# Altium PCB RP2040_ESP32-C3 Dev Board.PcbDoc (part 1 of 2) (continued)
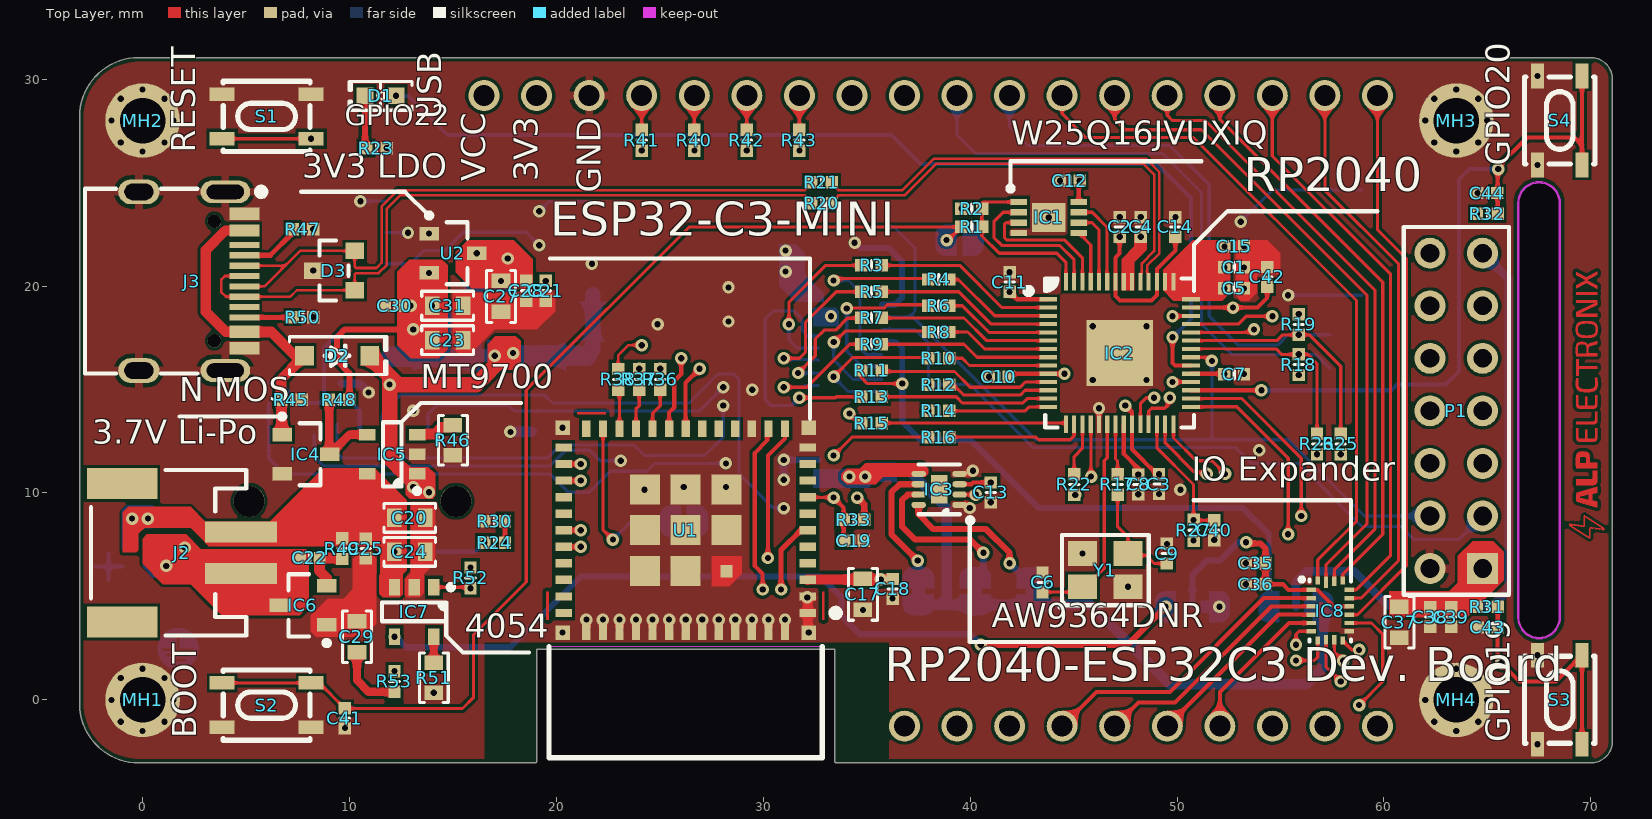
[diagram p0: Top Layer view]
## Components (designator, comment, footprint, x,y, rotation, side; value= is the part's Value field where it differs from the comment) (continued)
R11 "27.4" "RES 0402/1005" 35.233,15.921 r0 top
R12 "27.4" "RES 0402/1005" 38.481,15.24 r0 top
R13 "27.4" "RES 0402/1005" 35.233,14.651 r0 top
R14 "27.4" "RES 0402/1005" 38.481,13.97 r0 top
R15 "27.4" "RES 0402/1005" 35.233,13.381 r0 top
R16 "27.4" "RES 0402/1005" 38.481,12.7 r0 top
R17 "1k" "RES 0402/1005" 47.128,10.414 r90 top
R18 "10k" "RES 0402/1005" 55.88,16.202 r270 top
R19 "10k" "RES 0402/1005" 55.88,18.145 r90 top
R20 "27.4" "RES 0402/1005" 32.82,24.003 r180 top
R21 "27.4" "RES 0402/1005" 32.82,25.019 r180 top
R22 "27.4" "RES 0402/1005" 45.028,10.414 r90 top
R23 "1k" "RES 0402/1005" 11.303,26.67 r180 top
R24 "10k" "RES 0402/1005" 17.018,7.6 r180 top
R25 "27.4" "RES 0402/1005" 57.912,12.373 r270 top
R26 "27.4" "RES 0402/1005" 56.769,12.373 r270 top
R27 "10k" "RES 0402/1005" 50.8,8.2 r270 top
R28 "10k" "RES 0402/1005" 18.804,13.47 r270 bottom
R29 "10k" "RES 0402/1005" 6.098,14.851 r90 bottom
R30 "10k" "RES 0402/1005" 17.018,8.636 r0 top
R31 "10k" "RES 0402/1005" 65,4.5 r180 top
R32 "10k" "RES 0402/1005" 65,23.5 r180 top
R33 "10k" "RES 0402/1005" 34.384,8.701 r0 top
R36 "27.4" "RES 0402/1005" 25.019,15.494 r270 top
R37 "27.4" "RES 0402/1005" 24.003,15.494 r90 top
R38 "10k" "RES 0402/1005" 22.987,15.494 r90 top
R40 "27.4" "RES 0402/1005" 26.67,27.051 r90 top
R41 "27.4" "RES 0402/1005" 24.13,27.051 r90 top
R42 "27.4" "RES 0402/1005" 29.206,27.051 r90 top
R43 "27.4" "RES 0402/1005" 31.746,27.051 r90 top
R45 "10k" "RES 0402/1005" 7.195,14.5 r180 top
R46 "10k" "RES 0603/1608" 14.998,12.547 r90 top
R47 "5.1k" "RES 0402/1005" 7.75,22.75 r180 top
R48 "10k" "RES 0402/1005" 9.495,14.5 r0 top
R49 "100" "RES 0402/1005" 9.652,7.308 r270 top
R50 "5.1k" "RES 0402/1005" 7.75,18.5 r180 top
R51 "10k" "RES 0603/1608" 14.075,1.07 r90 top
R52 "2k" "RES 0402/1005" 15.85,5.9 r90 top
R53 "1" "RES 0402/1005" 12.175,0.889 r90 top
S1 "TSA016A2518C" TSA016A2518C 6,28.2 r180 top
S2 "TSA016A2518C" TSA016A2518C 6,-0.254 r180 top
S3 "TSA016A2518C" TSA016A2518C 68.5,0 r90 top
S4 "TSA016A2518C" TSA016A2518C 68.5,28 r90 top
TP7 "RCT-0C" "TestPoint 1mm" 35.687,22.86 r270 bottom
TP11 "RCT-0C" "TestPoint 1mm" 57.404,16.002 r90 bottom
TP12 "RCT-0C" "TestPoint 1mm" 57.404,17.653 r90 bottom
U1 "ESP32-C3-MINI-1-N4" XCVR_ESP32-C3-MINI-1-N4 26.25,5.5 r180 top locked
U2 "3V3 LDO" "DIODES SOT-23-3" 14.998,21.59 r0 top
Y1 "12MHz" "NDK NX3225SA" 46.535,6.272 r0 top

## Footprints (in the part's own frame and the unit in brackets; to place one, negate y for a bottom-side part, rotate by r counter-clockwise, add the part's x,y. Pads: shape width x height; smd on the part's side, far side on the other; paste and mask are expansions set on the pad)
"3 PADS FOR SBW" [mm]
  rrect20% 1x3 smd: 1(0,0) 2(2.54,0) 3(5.08,0)
  silkscreen extent -1,-2.97 6.25,2
5025983993 [mm]
  rect 0.3x0.67 smd paste-0.02: 1(-5.7,-1.64) 3(-5.1,-1.64) 5(-4.5,-1.64) 7(-3.899,-1.64) 9(-3.3,-1.64) 11(-2.7,-1.64) 13(-2.1,-1.64) 15(-1.5,-1.64) 17(-0.9,-1.64) 19(-0.3,-1.64) 21(0.3,-1.64) 23(0.9,-1.64) 25(1.5,-1.64) 27(2.1,-1.64) 29(2.7,-1.64) 31(3.3,-1.64) 33(3.9,-1.64) 35(4.5,-1.64) 37(5.1,-1.64) 39(5.7,-1.64)
  rect 0.3x0.5 smd paste-0.02: 2(-5.399,1.425) 4(-4.8,1.425) 6(-4.2,1.425) 8(-3.6,1.425) 10(-3,1.425) 12(-2.399,1.425) 14(-1.8,1.425) 16(-1.2,1.425) 18(-0.6,1.425) 20(0,1.425) 22(0.6,1.425) 24(1.2,1.425) 26(1.8,1.425) 28(2.4,1.425) 30(3,1.425) 32(3.6,1.425) 34(4.2,1.425) 36(4.8,1.425) 38(5.4,1.425)
  rect 0.35x1 smd paste-0.02: MP1(-6.675,-1.375) MP2(6.676,-1.375)
  silkscreen extent -6.9,-0.28 6.9,1.78, body extent -6.9,-1.99 6.9,1.81, height 1.15
"CAP 0402/1005" [mm] "Chip Capacitor, 2-Leads, Body 1.02x0.51mm, IPC Medium Density"
  rect 0.6x0.6 smd: 1(-0.475,0) 2(0.475,0)
  silkscreen extent 0,-0.23 0,0.23, body extent -0.5,-0.26 0.5,0.26, height 0.52
"CAP 0603/1608" [mm] "Chip Capacitor, 2-Leads, Body 1.60x0.80mm, IPC Medium Density"
  rect 0.7x0.9 smd: 1(-0.75,0) 2(0.75,0)
  silkscreen extent -1.25,-0.7 1.25,0.7, body extent -0.8,-0.41 0.8,0.41, height 0.82
"DIODES SOT-23-3" [mm] "SOT23, 3-Leads, Body 2.90x2.40mm, Pitch 0.95mm, IPC Medium Density"
  rect 0.95x0.65 smd: 1(-1.15,0.95) 2(1.15,0) 3(-1.15,-0.95)
  silkscreen extent -1.27,-1.5 0.7,1.95, body extent -1.41,-1.45 1.41,1.45, height 1.5
"DIODES SOT-23-5 W5" [mm] "SOT23, 5-Leads, Body 3.00x2.85mm, Pitch 0.95mm, IPC Medium Density"
  rect 0.8x0.55 smd: 1(-1.2,0.95) 2(-1.2,0) 3(-1.2,-0.95) 4(1.2,-0.95) 5(1.2,0.95)
  silkscreen extent -1.33,-1.55 0.45,1.9, body extent -1.41,-1.45 1.41,1.45, height 1.5
"Female Header 2.54mm - 10 Pin" [mm] "10 positions"
  round 1.5 hole 1.016: 1(0,0) 2(2.54,0) 3(5.08,0) 4(7.62,0) 5(10.16,0) 6(12.7,0) 7(15.24,0) 8(17.78,0) 9(20.32,0) 10(22.86,0)
  silkscreen extent -1.14,-1.14 24.01,1.14, body extent -1.4,-1.25 24.26,1.25, height 8.5
"Female Header 2.54mm - 18 Pin" [mm] "18 positions"
  round 1.5 hole 1.016: 1(0,0) 2(2.54,0) 3(5.08,0) 4(7.62,0) 5(10.16,0) 6(12.7,0) 7(15.24,0) 8(17.78,0) 9(20.32,0) 10(22.86,0) 11(25.4,0) 12(27.94,0) 13(30.48,0) 14(33.02,0) 15(35.56,0) 16(38.1,0) 17(40.64,0) 18(43.18,0)
  silkscreen extent -1.14,-1.14 44.32,1.14, body extent -1.39,-1.25 44.58,1.25, height 8.5
"HCTL HC-TYPE-C-16P-01A" [mm] "Type C Female 16 8.94*7.3mm 12 Pin USB Connectors"
  rect 0.6x1.45 smd: A1/B12(-3.25,3.415) A4/B9(-2.45,3.415) B1/A12(3.25,3.415) B4/A9(2.45,3.415)
  rect 0.3x1.45 smd: A5(-1.25,3.415) A6(-0.25,3.415) A7(0.25,3.415) A8(1.25,3.415) B5(1.75,3.415) B6(0.75,3.415) B7(-0.75,3.415) B8(-1.75,3.415)
  round 0.65 hole 0.65 unplated: None(-2.895,1.97) None(2.885,1.97)
  oval 1.1x2.4 hole 0.7 slot 1.8 at 90 deg: S1(-4.32,2.5) S2(4.32,2.5)
  oval 1.2x2 hole 0.8 slot 1.4 at 90 deg: S3(4.32,-1.68) S4(-4.32,-1.68)
  silkscreen extent -4.57,-4.28 4.47,4.48, body extent -4.48,-4.28 4.47,3.62, height 3.26
HDR2X7 [mm] "Connector; Header; 7x2 Position"
  rect 1.5x1.5 hole 0.9: 1(0,0)
  round 1.5 hole 0.9: 2(0,2.54) 3(2.54,0) 4(2.54,2.54) 5(5.08,0) 6(5.08,2.54) 7(7.62,0) 8(7.62,2.54) 9(10.16,0) 10(10.16,2.54) 11(12.7,0) 12(12.7,2.54) 13(15.24,0) 14(15.24,2.54)
  silkscreen extent -1.27,-1.27 16.51,3.81
HYCW110-TF10-180B [mm]
  rect 0.7x1.5 smd: 1(2.95,5.778) 2(1.85,5.778) 3(0.75,5.778) 4(-0.35,5.778) 5(-1.45,5.778) 6(-2.55,5.778) 7(-3.65,5.778) 8(-4.75,5.778) 9(4.05,5.778) 10(5.25,5.778)
  rect 1.5x2 smd: S(-7.1,-2.322) S(7.1,-2.323)
  round 1.5 hole 1.5 unplated: ""(-5,2.577) ""(5,2.578)
  silkscreen extent -6.86,-6.47 6.86,5.16, body extent -7.3,-6.47 7.3,6.16, height 1.96
"JST S2B-PH-SM4-TB" [mm] "JST PH Series 2mm pitch, side entry connector"
  rect 1x3.5 smd: 1(-1,-4.25) 2(1,-4.25)
  rect 1.5x3.4 smd: M(-3.35,1.5) M(3.35,1.5)
  silkscreen extent -4,-4.5 4,3, body extent -3.95,-5.6 3.95,3.01, height 5.6
"LED 0603/1608 GREEN" [mm] "Chip Diode, 2-Leads, Body 1.60x0.80mm, IPC Medium Density"
  rect 0.8x0.8 smd: 1(-0.75,0) 2(0.75,0)
  silkscreen extent -1.52,-0.7 1.52,0.7, body extent -0.8,-0.4 0.8,0.4, height 0.53
"M3 SCREW" [mm]
  round 3.6 hole 2.2 mask+0.05: 1(0,0)
"MAXIM TDFN-8 2X2MM" [mm] "DFN, 8-Leads, Body 2.00x2.00mm, Pitch 0.50mm, Thermal Pad 0.80x1.38mm, IPC Medium Density"
  oval 0.7x0.3 smd paste-0.02: 1(-0.99,0.75) 2(-0.99,0.25) 3(-0.99,-0.25) 4(-0.99,-0.75) 5(0.99,-0.75) 6(0.99,-0.25) 7(0.99,0.25) 8(0.99,0.75)
  rect 0.8x1.38 smd: 9(0,0)
  silkscreen extent -1.63,-1.2 1,1.62, body extent -1.05,-1.05 1.05,1.05, height 0.8
"Molex 781710002" [mm]
  rrect20% 0.6x0.85 smd: 1(-0.6,2.2) 2(0.6,2.2)
  rrect50% 1x1 smd: G(-1.905,-1.905) G(1.905,-1.905)
  silkscreen extent -2.1,-2.3 2.1,2.2, body extent -2.1,-2.25 2.1,2.28, height 1.42
"NDK NX3225SA" [mm] "Crystal, 4-Leads, Body 2.50x3.20mm, Pitch 2.20mm, IPC Medium Density"
  rect 1.4x1.2 smd paste-0.15: 1(-1.1,-0.8) 2(1.1,-0.8) 3(1.1,0.8) 4(-1.1,0.8)
  silkscreen extent -2.25,-1.85 2.1,1.7, body extent -1.61,-1.26 1.61,1.26, height 0.6
"ON SEMI SOT-23-3" [mm] "SOT23, 3-Leads, Body 2.90x2.40mm, Pitch 0.95mm, IPC Medium Density"
  rect 0.9x0.8 smd: 1(-1,0.95) 2(-1,-0.95) 3(1,0)
  silkscreen extent -0.7,-1.45 0.7,1.45, body extent -1.16,-1.45 1.16,1.45, height 1
QFN40P700X700X90-57N-D [mm]
  rect 0.85x0.2 smd: 1(-3.45,2.6) 2(-3.45,2.2) 3(-3.45,1.8) 4(-3.45,1.4) 5(-3.45,1) 6(-3.45,0.6) 7(-3.45,0.2) 8(-3.45,-0.2) 9(-3.45,-0.6) 10(-3.45,-1) 11(-3.45,-1.4) 12(-3.45,-1.8) 13(-3.45,-2.2) 14(-3.45,-2.6) 29(3.45,-2.6) 30(3.45,-2.2) 31(3.45,-1.8) 32(3.45,-1.4) 33(3.45,-1) 34(3.45,-0.6) 35(3.45,-0.2) 36(3.45,0.2) 37(3.45,0.6) 38(3.45,1) 39(3.45,1.4) 40(3.45,1.8) 41(3.45,2.2) 42(3.45,2.6)
  rect 0.2x0.85 smd: 15(-2.6,-3.45) 16(-2.2,-3.45) 17(-1.8,-3.45) 18(-1.4,-3.45) 19(-1,-3.45) 20(-0.6,-3.45) 21(-0.2,-3.45) 22(0.2,-3.45) 23(0.6,-3.45) 24(1,-3.45) 25(1.4,-3.45) 26(1.8,-3.45) 27(2.2,-3.45) 28(2.6,-3.45) 43(2.6,3.45) 44(2.2,3.45) 45(1.8,3.45) 46(1.4,3.45) 47(1,3.45) 48(0.6,3.45) 49(0.2,3.45) 50(-0.2,3.45) 51(-0.6,3.45) 52(-1,3.45) 53(-1.4,3.45) 54(-1.8,3.45) 55(-2.2,3.45) 56(-2.6,3.45)
  rect 3.2x3.2 smd: 57(0,0)
  silkscreen extent -4.55,-3.6 3.6,3.6, body extent -3.55,-3.55 3.55,3.55, height 0.9
"RES 0402/1005" [mm] "Chip Resistor, 2-Leads, Body 1.0x0.5mm, IPC Medium Density"
  rect 0.6x0.6 smd: 1(-0.5,0) 2(0.5,0)
  silkscreen extent 0,-0.23 0,0.23, body extent -0.5,-0.25 0.5,0.25, height 0.35
"RES 0603/1608" [mm] "Chip Resistor, 2-Leads, Body 1.60x0.80mm, IPC Medium Density"
  rect 0.7x0.9 smd: 1(-0.725,0) 2(0.725,0)
  silkscreen extent -1.2,-0.7 1.2,0.7, body extent -0.8,-0.4 0.8,0.4, height 0.45
SLG46826VTR [mm]
  rect 0.465x0.21 smd paste+0: 1(-0.918,1) 2(-0.918,0.6) 3(-0.918,0.2) 4(-0.918,-0.2) 5(-0.918,-0.6) 6(-0.918,-1) 11(0.918,-1) 12(0.918,-0.6) 13(0.918,-0.2) 14(0.918,0.2) 15(0.918,0.6) 16(0.918,1)
  rect 0.21x0.39 smd paste+0: 7(-0.6,-1.455) 10(0.6,-1.455) 17(0.6,1.455) 20(-0.6,1.455)
  rect 0.21x0.465 smd paste+0: 8(-0.2,-1.418) 9(0.2,-1.418) 18(0.2,1.418)
  rect 0.21x0.565 smd paste+0: 19(-0.2,1.368)
  silkscreen extent -1.48,-1.5 1,1.6, body extent -1,-1.5 1,1.5, height 0.7
SmartShunt-Pico24 [mm]
  rrect50% 1.5x0.8 smd: 1(-5,1.5) 2(-5,0) 3(-5,-1.5) 4(-5,-3) 5(-5,-4.5) 6(5,-4.5) 7(5,-3) 8(5,-1.5) 9(5,0) 10(5,1.5)
  rrect50% 2.5x1.5 smd: 11(4.75,4.5) 12(-4.75,4.5)
  silkscreen extent -5,-6.25 5,6.25, body extent -5,-6.25 5,6.25, height 1.58
SOD-123 [mm] "SOD, 2-Leads, Body 1.55x3.70mm, IPC Medium Density"
  rect 0.9x0.95 smd: 1(-1.575,0) 2(1.575,0)
  silkscreen extent -2.3,-0.92 2.41,0.92, body extent -1.86,-0.78 1.86,0.77, height 1.35
SolderJumper-2_P1.3mm_Bridged_RoundedPad1.0x1.5mm#1 [mil]
  round 1 smd paste-99999: 1(-25.63,-0.19) 2(25.59,0)
  Top Layer region: 9.84,-11.81 -9.84,-11.81 -9.84,11.81 9.84,11.81
  Top Layer region: -5.94,29.34 -27.6,29.34 -34.38,27.99 -40.13,24.15 -43.97,18.4 -45.31,11.62 -45.31,11.62 -45.31,-11.02 -43.89,-18.18 -39.84,-24.24 -33.77,-28.3 -26.61,-29.72 -26.61,-29.72 -5.94,-29.72
  Top Layer region: 5.91,-29.53 27.56,-29.53 34.34,-28.18 40.09,-24.34 43.93,-18.59 45.28,-11.81 45.28,-11.81 45.28,10.83 43.85,17.98 39.8,24.05 33.73,28.1 26.58,29.53 26.58,29.53 5.91,29.53
  silkscreen extent -55,-39 55,39
SolderJumper-2_P1.3mm_Bridged_RoundedPad1.0x1.5mm#2 [mil]
  round 1 smd: 1(-25.63,-0.19) 2(25.59,0)
  Top Layer region: 9.84,-11.81 -9.84,-11.81 -9.84,11.81 9.84,11.81
  Top Layer region: -5.94,29.34 -27.6,29.34 -34.38,27.99 -40.13,24.15 -43.97,18.4 -45.31,11.62 -45.31,11.62 -45.31,-11.02 -43.89,-18.18 -39.84,-24.24 -33.77,-28.3 -26.61,-29.72 -26.61,-29.72 -5.94,-29.72
  Top Layer region: 5.91,-29.53 27.56,-29.53 34.34,-28.18 40.09,-24.34 43.93,-18.59 45.28,-11.81 45.28,-11.81 45.28,10.83 43.85,17.98 39.8,24.05 33.73,28.1 26.57,29.53 26.57,29.53 5.91,29.53
  silkscreen extent -55,-39 55,39
SolderJumper-2_P1.3mm_Open_RoundedPad1.0x1.5mm [mil]
  round 1 smd paste-99999: 1(-25.63,-0.19) 2(25.59,0)
  Top Layer region: 5.91,-29.53 27.56,-29.53 34.34,-28.18 40.09,-24.34 43.93,-18.59 45.28,-11.81 45.28,-11.81 45.28,10.83 43.85,17.98 39.8,24.05 33.73,28.1 26.58,29.53 26.58,29.53 5.91,29.53
  Top Layer region: -5.94,29.34 -27.6,29.34 -34.38,27.99 -40.13,24.15 -43.97,18.4 -45.31,11.62 -45.31,11.62 -45.31,-11.02 -43.89,-18.18 -39.84,-24.24 -33.77,-28.3 -26.61,-29.72 -26.61,-29.72 -5.94,-29.72
  silkscreen extent -55,-39 55,39
SolderJumper-3_P1.3mm_Bridged12_RoundedPad1.0x1.5mm [mm]
  round 0.025 smd paste-2539.97: 1(-1.3,0) 3(1.3,0)
  rect 1x1.5 smd paste-2539.97: 2(0,0)
  Top Layer region: -0.4,-0.3 -0.9,-0.3 -0.9,0.3 -0.4,0.3
  Top Layer region: -0.8,0.75 -1.35,0.75 -1.522,0.716 -1.668,0.618 -1.766,0.472 -1.8,0.3 -1.8,0.3 -1.8,-0.275 -1.764,-0.457 -1.661,-0.611 -1.507,-0.714 -1.325,-0.75 -1.325,-0.75 -0.8,-0.75
  Top Layer region: 0.8,-0.75 1.35,-0.75 1.522,-0.716 1.668,-0.618 1.766,-0.472 1.8,-0.3 1.8,-0.3 1.8,0.275 1.764,0.457 1.661,0.611 1.507,0.714 1.325,0.75 1.325,0.75 0.8,0.75
  silkscreen extent -2.05,-1.5 2.05,1
SON50P300X200X60-9N [mm]
  rect 0.8x0.3 smd paste-0.02: 1(-1.45,0.75) 2(-1.45,0.25) 3(-1.45,-0.25) 4(-1.45,-0.75) 5(1.45,-0.75) 6(1.45,-0.25) 7(1.45,0.25) 8(1.45,0.75)
  rect 1.6x1.4 smd: 9(0,0)
  silkscreen extent -1.97,1.28 -1.72,1.52, body extent -1.55,-1 1.55,1, height 0.6
"TestPoint 1mm" [mm]
  round 1 smd paste-2539.97: 1(0,0)
TSA016A2518C [mm] "3.35mm 2.5mm Oval button 50mA Brick nogging 4.2mm 12V SMD Tactile Switches ROHS"
  rect 1.2x0.65 smd: 1(-2.142,1.074) 2(2.158,1.074) 3(-2.142,-1.076) 4(2.158,-1.076)
  silkscreen extent -2.09,-1.7 2.11,1.7, body extent -2.3,-1.68 2.3,1.68, height 2.5
XCVR_ESP32-C3-MINI-1-N4 [mm]
  rect 0.8x0.4 smd: 1(-5.9,1.3) 2(-5.9,0.5) 3(-5.9,-0.3) 4(-5.9,-1.1) 5(-5.9,-1.9) 6(-5.9,-2.7) 7(-5.9,-3.5) 8(-5.9,-4.3) 9(-5.9,-5.1) 10(-5.9,-5.9) 11(-5.9,-6.7) 25(5.9,-6.7) 26(5.9,-5.9) 27(5.9,-5.1) 28(5.9,-4.3) 29(5.9,-3.5) 30(5.9,-2.7) 31(5.9,-1.9) 32(5.9,-1.1) 33(5.9,-0.3) 34(5.9,0.5) 35(5.9,1.3)
  rect 0.4x0.8 smd: 12(-4.8,-7.6) 13(-4,-7.6) 14(-3.2,-7.6) 15(-2.4,-7.6) 16(-1.6,-7.6) 17(-0.8,-7.6) 18(0,-7.6) 19(0.8,-7.6) 20(1.6,-7.6) 21(2.4,-7.6) 22(3.2,-7.6) 23(4,-7.6) 24(4.8,-7.6) 36(4.8,2.2) 37(4,2.2) 38(3.2,2.2) 39(2.4,2.2) 40(1.6,2.2) 41(0.8,2.2) 42(0,2.2) 43(-0.8,2.2) 44(-1.6,2.2) 45(-2.4,2.2) 46(-3.2,2.2) 47(-4,2.2) 48(-4.8,2.2)
  rect 0.6x0.6 smd paste-1 mask+0: 49_1(-1.975,-0.725)
  rect 1.45x1.45 smd: 49_2(0,-0.725) 49_3(1.975,-0.725) 49_4(1.975,-2.7) 49_5(1.975,-4.675) 49_6(0,-4.675) 49_7(-1.975,-4.675) 49_8(-1.975,-2.7) 49_9(0,-2.7)
  rect 0.7x0.7 smd: 50(5.95,2.25) 51(5.95,-7.65) 52(-5.95,-7.65) 53(-5.95,2.25)
  Top Layer region: -1.25,-1.45 -2.7,-1.45 -2.7,-0.6 -2.1,0 -1.25,0
  Keep-Out Layer region: 6.6,2.9 -6.6,2.9 -6.6,8.3 6.6,8.3
  Keep-Out Layer region: 6.6,2.9 -6.6,2.9 -6.6,8.3 6.6,8.3
  silkscreen extent -7.5,1.05 6.6,8.3, body extent -6.6,-8.3 6.6,8.3, height 2.55

## Part data
A1: "Current Measurement Module"
C1 C2 C3 C4 C5 C7 C8 C10 C11 C12 C13 C16 C18 C22 C26 C33 C36 C39: library part LMK105BJ104KV-F, "CAP CER 0.1UF 10V X5R 0402", Device Package="0402 (1005 Metric)", manufacturer="Taiyo Yuden", Supplier Part Number 1=587-1227-2-ND, TemperatureCoefficient=X5R, TemperatureRange="-55C ~ 85C", Tolerance=10%, Voltage=10V, componentlink1description=Datasheet, componentlink1url=http://ds.yuden.co.jp/TYCOMPAS/ut/detail.do?productNo=LMK105BJ104KV-F&fileName=LMK105BJ104KV-F_SS&mode=specSheetDownload, componentlink2description="Digi-Key Listing", componentlink2url=https://www.digikey.com/product-detail/en/taiyo-yuden/LMK105BJ104KV-F/587-1227-2-ND/930579, Part Number=LMK105BJ104KV-F, partid=12322, price=0,0021, Supplier 1=Digi-Key
C6 C9: library part GRM1555C1H300JA01D, "CAP CER 30PF 50V NP0 0402", Device Package="0402 (1005 Metric)", manufacturer="Murata Electronics North America", Supplier Part Number 1=490-5935-2-ND, TemperatureCoefficient="C0G, NP0", TemperatureRange="-55C ~ 125C", Tolerance=5%, Voltage=50V, componentlink1description=Datasheet, componentlink1url=http://www.murata.com/~/media/webrenewal/support/library/catalog/products/capacitor/mlcc/c02e.ashx, componentlink2description="Digi-Key listing", componentlink2url=http://digikey.com/product-detail/en/GRM1555C1H300JA01D/490-5935-2-ND/3693845, Part Number=GRM1555C1H300JA01D, partid=5055, price=0,0118, Supplier 1=Digi-Key, Type=-
C14 C15 C19 C21 C25 C28 C30 C32 C34 C35 C38: library part GRM155R70J105KA12D, "CAP CER 1UF 6.3V X7R 0402", Device Package="0402 (1005 Metric)", manufacturer="Murata Electronics North America", Supplier Part Number 1=490-10024-2-ND, TemperatureCoefficient=X7R, TemperatureRange="-55C ~ 125C", Tolerance=10%, Voltage=6.3V, componentlink1description=Datasheet, componentlink1url=http://www.murata.com/~/media/webrenewal/support/library/catalog/products/capacitor/mlcc/c02e.ashx, componentlink2description="Digi-Key listing", componentlink2url=http://digikey.com/product-detail/en/GRM155R70J105KA12D/490-10024-2-ND/5027109, Part Number=GRM155R70J105KA12D, partid=5157, price=0,019, Supplier 1=Digi-Key, Type="Derating Recommended"
C17 C20 C23 C24 C27 C29 C31 C37: library part GRM188R60J106ME47D, "CAP CER 10UF 6.3V X5R 0603", Device Package="0603 (1608 Metric)", manufacturer="Murata Electronics North America", Supplier Part Number 1=490-3896-2-ND, TemperatureCoefficient=X5R, TemperatureRange="-55C ~ 85C", Tolerance=20%, Voltage=6.3V, componentlink1description=Datasheet, componentlink1url=http://www.murata.com/~/media/webrenewal/support/library/catalog/products/capacitor/mlcc/c02e.pdf, componentlink2description="Digi-Key Listing", componentlink2url=https://www.digikey.com/product-detail/en/murata-electronics-north-america/GRM188R60J106ME47D/490-3896-2-ND/965910, Part Number=GRM188R60J106ME47D, partid=12950, price=0,031, Supplier 1=Digi-Key
C40 C41 C42 C43 C44: library part C1005C0G1H102J050BA, "CAP CER 1000PF 50V C0G 0402", Device Package="0402 (1005 Metric)", manufacturer="TDK Corporation", Supplier Part Number 1=445-6846-2-ND, TemperatureCoefficient="C0G, NP0", TemperatureRange="-55C ~ 125C", Tolerance=5%, Voltage=50V, componentlink1description=Datasheet, componentlink1url=https://product.tdk.com/info/en/catalog/datasheets/mlcc_commercial_general_en.pdf, componentlink2description="Digi-Key listing", componentlink2url=http://digikey.com/product-detail/en/C1005C0G1H102J050BA/445-6846-2-ND/2619187, Part Number=C1005C0G1H102J050BA, partid=3861, price=0,0287, Supplier 1=Digi-Key, Type=-
D1: library part HSMQ-C191, "LED GREEN DIFFUSED 0603 SMD", Current (Test)=20mA, Device Package="0603 (1608 Metric)", manufacturer="Avago Technologies US Inc.", Supplier Part Number 1=516-1807-2-ND, Voltage Forward=3.4V, Colour=Green, componentlink1description=Datasheet, componentlink1url=http://www.avagotech.com/docs/AV02-0977EN, componentlink2description="Digi-Key Listing", componentlink2url=http://www.digikey.ca/product-detail/en/HSMQ-C191/516-1807-2-ND/1012398, Lens Transparency=Diffused, Millicandela=145mcd, Part Number=HSMQ-C191, partid=7059, price=0,4769, Supplier 1=Digi-Key, Type="Surface Mount", Viewing Angle=140
D2: "DIODE SCHOTTKY 20V 500MA SOD123", Current - Average Rectified (Io)=500mA, Current - Reverse Leakage @ Vr="250 µA @ 20 V", manufacturer="Comchip Technology", Operating Temperature - Junction="125°C (Max)", Package / Case=SOD-123, Supplier Part Number 1=641-1326-1-ND, Voltage - DC Reverse (Vr) (Max)="20 V", Voltage - Forward (Vf) (Max) @ If="385 mV @ 500 mA", componentlink1description=Datasheet, componentlink1url="http://www.comchiptech.com/admin/files/product/CDBW0520L-HF Thru824572. CDBW0540-HF RevA.pdf", componentlink2description="DigiKey Link", componentlink2url=https://www.digikey.com/en/products/detail/comchip-technology/CDBW0520L-G/1979670, Diode Type=Schottky, lastupdated="2022-06-30 22:48:20", Lifecycle Status=Active, Minimum Order=1, Mounting Type="Surface Mount", packaging=TapeAndReel, Part Number=CDBW0520L-G, Part Status=Active, partid=2251, price=0.07, series=-, Speed="Fast Recovery =< 500ns, > 200mA (Io)", Supplier 1=DigiKey, Supplier Device Package=SOD-123
D3: library part NUP2105LT1G, "TVS DIODE 24V 44V SOT23-3", Capacitance @ Frequency="30pF @ 1MHz", Current - Peak Pulse (10/1000µs)="8A (8/20µs)", Device Package="TO-236-3, SC-59, SOT-23-3", manufacturer="ON Semiconductor", Operating Temperature="-55°C ~ 150°C (TJ)", Power - Peak Pulse=350W, Power Line Protection=No, Supplier Device Package="SOT-23-3 (TO-236)", Supplier Part Number 1=NUP2105LT1GOSCT-ND, Voltage - Breakdown (Min)=26.2V, Voltage - Clamping (Max) @ Ipp=44V, Voltage - Reverse Standoff (Typ)="24V (Min)", Applications="General Purpose", Bidirectional Channels=2, componentlink1description=Datasheet, componentlink1url=http://www.onsemi.com/pub/Collateral/NUP2105L-D.PDF, componentlink2description="DigiKey Link", componentlink2url=http://digikey.com/product-detail/en/on-semiconductor/NUP2105LT1G/NUP2105LT1GOSCT-ND/1485001, lastupdated="2020-03-30 16:33:57", Lifecycle Status=Active, Minimum Order=1, Mounting Type="Surface Mount", Package / Case="TO-236-3, SC-59, SOT-23-3", packaging=TapeAndReel, Part Number=CESDBLC5V0AP, Part Status=Active, partid=10506, price=0.09, series=-, Supplier 1=DigiKey, Type=Zener
IC1: "Integrated Circuit", Manufacturer_Name=Winbond, Datasheet Link=https://www.winbond.com/resource-files/w25q16jv%20spi%20revh%2004082019%20plus.pdf, Height=0.6mm, Manufacturer_Part_Number=W25Q16JVUXIQ
IC2: "Integrated Circuit", Manufacturer_Name=RASPBERRY-PI, Datasheet Link=https://datasheets.raspberrypi.org/rp2040/rp2040-datasheet.pdf, Height=0.9mm, Manufacturer_Part_Number=RP2040
IC3: "-40℃~+85℃ DFN-8(2x2) LED Drivers ROHS"
IC4: "MOSFET N-CH 60V 115MA SOT23-3", Current Continuous Drain="115mA (Ta)", Device Package="TO-236-3, SC-59, SOT-23-3", Drain to Source Voltage (Vdss)=60V, Input Capacitance (Ciss) at Vds="50pF @ 25V", manufacturer="Diodes Incorporated", Power - Max=370mW, Supplier Part Number 1=2N7002-FDITR-ND, componentlink1description=Datasheet, componentlink1url=http://www.diodes.com/_files/datasheets/ds11303.pdf, componentlink2description="Digi-Key Listing", componentlink2url=http://www.digikey.com/product-detail/en/2N7002-7-F/2N7002-FDITR-ND/717681, Features=Standard, Gate Charge (Qg)=-, Part Number=2N7002-7-F, partid=7967, price=0,0255, Rds On (Max) at Id, Vgs="7.5 Ohm @ 50mA, 5V", Supplier 1=Digi-Key, Type="MOSFET N-Channel, Metal Oxide", Vgs(th) (Max) at Id="2.5V @ 250uA"
IC5: "SOT-23-5 Power Distribution Switches ROHS"
IC6: "IC LITHIUM BATT PROTECT SOT23-3", Device Package=SOT-23-3, manufacturer=XYSEMI, Supplier Part Number 1=C154939, Battery Chemistry="Li-Ion, Li-Pol", componentlink1description=Datasheet, componentlink1url=http://www.baitaishengshi.com/uploadfile/2017/1213/20171213368970.pdf, componentlink2description="LCSC Listing", componentlink2url=https://lcsc.com/product-detail/Battery-Protection-ICs_XB3306A_C154939.html, Function=Protection, Part Number="XYSEMI XB3306A", partid=16446, Supplier 1=LCSC
IC7: "600mA Standalone Linear Li-Ion Battery Charger"
IC8: "Programmable Mixed Signal Matrix with In-System Programmability 2.048kHz/2.048MHz/25MHz Oscillators 20-Pin STQFN", manufacturer=Renesas, Manufacturer Part Number=SLG46826V, Manufacturer_Name="Dialog Semiconductor", Mouser Part Number=724-SLG46826VTR, Category="CPLDs - Complex Programming Logic Devices", Datasheet Link=https://componentsearchengine.com/Datasheets/2/SLG46826VTR.pdf, Height=0.6mm, Manufacturer_Part_Number=SLG46826VTR, Mouser Price/Stock=https://www.mouser.co.uk/ProductDetail/Dialog-Semiconductor/SLG46826VTR?qs=w%2Fv1CP2dgqrVTrYCw9J2sA%3D%3D, Pricing 1="1=15,12000, 10=12,82000, 50=10,78000, 100=8,74000, 250=8,51000, 500=8,27000, 1000=6,43000, 2500=6,11000 (SEK)", RoHS=No, Stock 1=3286, Supplier 1=Farnell
J1: "MICRO SD PUSH/PUSH SMALL 8C", manufacturer="SHOU HAN", Supplier Part Number 1=C393941, componentlink1description=Datasheet, componentlink1url=https://datasheet.lcsc.com/szlcsc/1912111437_SHOU-HAN-TF-PUSH_C393941.pdf, componentlink2description="LCSC Listing", componentlink2url=https://lcsc.com/product-detail/Card-Sockets-Connectors_SHOU-HAN-TF-PUSH_C393941.html, Connector Type="Connector and Ejector", Contact Finish=Nickel, Features=Switch, Mounting Type="Surface Mount, Right Angle", Number of Positions="9(8 + 1)", Part Number=HYCW110-TF10-180B, partid=9290, Supplier 1=LCSC, Type="Connector and Ejector"
J2: library part S2B-PH-SM4-TB(LF)(SN), "CONN HEADER SMD R/A 2POS 2MM", Current Rating (Amps)=2A, Insulation Color=Natural, manufacturer="JST Sales America Inc.", Material Flammability Rating="UL94 V-0", Operating Temperature="-25°C ~ 85°C", Supplier Part Number 1=455-1749-1-ND, Voltage Rating=100V, componentlink1description=Datasheet, componentlink1url=http://www.jst-mfg.com/product/pdf/eng/ePH.pdf, componentlink2description="DigiKey Link", componentlink2url=http://digikey.com/product-detail/en/jst-sales-america-inc/S2B-PH-SM4-TB-LF-SN/455-1749-1-ND/926846, Connector Type=Header, Contact Finish - Mating=Tin, Contact Finish - Post=Tin, Contact Length - Mating="0.130\" (3.30mm)", Contact Material="Copper Alloy", Contact Shape=Square, Contact Type="Male Pin", Fastening Type="Detent Lock", Features="Solder Retention", Insulation Height="0.217\" (5.51mm)", Insulation Material="Polyamide (PA6T), Nylon 6T", lastupdated="2020-01-15 03:45:11", Lifecycle Status=Active, Minimum Order=1, Mounting Type="Surface Mount, Right Angle", Number of Positions=2, Number of Positions Loaded=All, Number of Rows=1, packaging=TapeAndReel, Part Number=S2B-PH-SM4-TB(LF)(SN), Part Status=Active, partid=115, Pitch - Mating="0.079\" (2.00mm)", price=0.27, series=PH, Shrouding="Shrouded - 4 Wall", Style="Board to Cable/Wire", Supplier 1=DigiKey, Termination=Solder
J3: library part "HIRO TYPE-C-31-M-12", "CONN USB 2.0 TYPE-C R/A SMT", manufacturer=Hiro, Supplier Part Number 1=C165948, componentlink1description=Datasheet, componentlink1url=https://datasheet.lcsc.com/szlcsc/1811131825_Korean-Hroparts-Elec-TYPE-C-31-M-12_C165948.pdf, componentlink2description="LCSC Listing", componentlink2url=https://lcsc.com/product-detail/USB-Type-C_Korean-Hroparts-Elec-TYPE-C-31-M-12_C165948.html, Number of Positions=12, Part Number="HCTL HC-TYPE-C-16P-01A", partid=9703, series="USB 3.0", Supplier 1=LCSC, Type="USB - C"
J4: "Connector", Manufacturer_Name=Molex, Mouser Part Number=538-502598-3993, Datasheet Link=https://www.molex.com/pdm_docs/sd/5025983993_sd.pdf, Height=1.63mm, Manufacturer_Part_Number=502598-3993, Mouser Price/Stock=https://www.mouser.co.uk/ProductDetail/Molex/502598-3993?qs=yd8XiKYcH9m2CHpgP0wV0A%3D%3D
J5: library part "Header 2", "Pico-EZmate Wire-to-Board Header Vertical Housing Height 1.55mm with Side Friction Locks 2 Circuits", Contact Resistance=20mR, Current Rating=1.5A, manufacturer=Molex, Manufacturer Part Number=78171-0002, Max Operating Temperature=85°C, Max Voltage Rating (DC)=5.05kV, Min Operating Temperature=-25°C, Package Quantity=36000, Supplier Part Number 1=538-78171-0002, Voltage Rating=50V, Category="Headers and Wire Housings", Contact Gender=Female, Contact Material="Copper Alloy,Copper,Gold", Contact Plating=Gold, Gender=Male, Glow Wire Compliant=Non-compliant, Halogen Free="Low Halogen", Housing Material="Liquid Crystal Polymer", Mounting Technology="Surface Mount", Number of Circuits=2, Number of Contacts=2, Number of Positions=2, Number of Rows=1, Orientation=Vertical, packaging="Tape and Reel", Pitch=1.2mm, Pricing 1="1=0.39, 10=0.302, 50=0.302, 100=0.225, 1000=0.179, 10000=0.139 (USD)", Reach SVHC Compliant=Unknown, RoHS=Yes, RoHS Compliant=Yes, series=Pico-Ezmate, Stock 1=144410, Supplier 1=Mouser, Termination=Solder, Voltage Rating (AC)=50V
JP1 JP2: library part SolderJumper_2_Open, ki_description="Solder Jumper, 2-pole, open", ki_fp_filters=SolderJumper*Open*, ki_keywords="solder jumper SPST", Supplier=~
JP3 JP7: library part SolderJumper_3_Bridged12, ki_description="3-pole Solder Jumper, pins 1+2 closed/bridged", ki_fp_filters=SolderJumper*Bridged12*, ki_keywords="Solder Jumper SPDT", Supplier=~
JP4 JP5 JP6 JP8: library part SolderJumper_2_Bridged, ki_description="Solder Jumper, 2-pole, closed/bridged", ki_fp_filters=SolderJumper*Bridged*, ki_keywords="solder jumper SPST", Supplier=~
P1: "Header, 7-Pin, Dual row", LatestRevisionDate=17-Jul-2002, LatestRevisionNote="Re-released for DXP Platform.", Publisher="Altium Limited"
P2: "Header, 3-Pin", LatestRevisionDate=17-Jul-2002, LatestRevisionNote="Re-released for DXP Platform.", Publisher="Altium Limited"
P5: "Header, 10-Pin", LatestRevisionDate=17-Jul-2002, LatestRevisionNote="Re-released for DXP Platform.", Publisher="Altium Limited"
P6: "Header, 18-Pin", LatestRevisionDate=17-Jul-2002, LatestRevisionNote="Re-released for DXP Platform.", Publisher="Altium Limited"
R1 R17 R23: library part ERJ-2GEJ102X, "RES SMD 1K OHM 5% 1/10W 0402", Device Package="0402 (1005 Metric)", manufacturer="Panasonic Electronic Components", PowerRating="0.1W, 1/10W", Supplier Part Number 1=P1.0KJTR-ND, TemperatureCoefficient=200ppm/C, TemperatureRange="-55C ~ 155C", Tolerance=5%, componentlink1description=Datasheet, componentlink1url=http://industrial.panasonic.com/www-cgi/jvcr13pz.cgi?E+PZ+3+AOA0001+ERJ2GEJ102X+7+WW, componentlink2description="Digi-Key Listing", componentlink2url=https://www.digikey.com/product-detail/en/panasonic-electronic-components/ERJ-2GEJ102X/P1.0KJTR-ND/146898, Part Number=ERJ-2GEJ102X, partid=10982, price=0,0019, Supplier 1=Digi-Key
R2 R18 R19 R24 R27 R28 R29 R30 R31 R32 R33 R38 R45 R48: library part RC0402JR-0710KL, "RES SMD 10K OHM 5% 1/16W 0402", Device Package="0402 (1005 Metric)", manufacturer=Yageo, PowerRating="0.063W, 1/16W", Supplier Part Number 1=311-10KJRTR-ND, TemperatureCoefficient=100ppm/C, TemperatureRange="-55C ~ 155C", Tolerance=5%, componentlink1description=Datasheet, componentlink1url=http://www.yageo.com/documents/recent/PYu-RC_Group_51_RoHS_L_04.pdf, componentlink2description="Digi-Key Listing", componentlink2url=https://www.digikey.com/product-detail/en/yageo/RC0402JR-0710KL/311-10KJRTR-ND/726418, Part Number=RC0402JR-0710KL, partid=14464, price=0,0017, Supplier 1=Digi-Key
R3 R4 R5 R6 R7 R8 R9 R10 R11 R12 R13 R14 R15 R16 R20 R21 R22 R25 R26 R36 R37 R40 R41 R42 R43: library part ERJ-2RKF27R4X, "RES SMD 27.4 OHM 1% 1/10W 0402", Device Package="0402 (1005 Metric)", manufacturer="Panasonic Electronic Components", PowerRating="0.1W, 1/10W", Supplier Part Number 1=P27.4LTR-ND, TemperatureCoefficient=100ppm/C, TemperatureRange="-55C ~ 155C", Tolerance=1%, componentlink1description=Datasheet, componentlink1url=http://industrial.panasonic.com/www-cgi/jvcr13pz.cgi?E+PZ+3+AOA0002+ERJ2RKF27R4X+7+WW, componentlink2description="Digikey listing", componentlink2url=http://digikey.com/product-detail/en/ERJ-2RKF27R4X/P27.4LTR-ND/192262, Part Number=ERJ-2RKF27R4X, partid=342, price=0,0043, Supplier 1=Digi-Key, Type="Thick Film"
R46 R51: library part ERJ-3GEYJ103V, "RES SMD 10K OHM 5% 1/10W 0603", Device Package="0603 (1608 Metric)", manufacturer="Panasonic Electronic Components", PowerRating="0.1W, 1/10W", Supplier Part Number 1=P10KGTR-ND, TemperatureCoefficient=200ppm/C, TemperatureRange="-55C ~ 155C", Tolerance=5%, componentlink1description=Datasheet, componentlink1url=http://industrial.panasonic.com/www-cgi/jvcr13pz.cgi?E+PZ+3+AOA0001+ERJ3GEYJ103V+7+WW, componentlink2description="Digi-Key Listing", componentlink2url=https://www.digikey.com/product-detail/en/panasonic-electronic-components/ERJ-3GEYJ103V/P10KGTR-ND/135662, Part Number=ERJ-3GEYJ103V, partid=11175, price=0,002, Supplier 1=Digi-Key
R47 R50: library part RC0402JR-075K1L, "RES SMD 5.1K OHM 5% 1/16W 0402", Device Package="0402 (1005 Metric)", manufacturer=Yageo, PowerRating="0.063W, 1/16W", Supplier Part Number 1=311-5.1KJRTR-ND, TemperatureCoefficient=100ppm/C, TemperatureRange="-55C ~ 155C", Tolerance=5%, componentlink1description=Datasheet, componentlink1url=http://www.yageo.com/documents/recent/PYu-RC_Group_51_RoHS_L_04.pdf, componentlink2description="Digi-Key Listing", componentlink2url=https://www.digikey.com/product-detail/en/yageo/RC0402JR-075K1L/311-5.1KJRTR-ND/726487, Part Number=RC0402JR-075K1L, partid=14528, price=0,0017, Supplier 1=Digi-Key
R49: library part RC0402JR-07100RL, "RES SMD 100 OHM 5% 1/16W 0402", Device Package="0402 (1005 Metric)", manufacturer=Yageo, PowerRating="0.063W, 1/16W", Supplier Part Number 1=311-100JRTR-ND, TemperatureCoefficient=100ppm/C, TemperatureRange="-55C ~ 155C", Tolerance=5%, componentlink1description=Datasheet, componentlink1url=http://www.yageo.com/documents/recent/PYu-RC_Group_51_RoHS_L_04.pdf, componentlink2description="Digi-Key Listing", componentlink2url=https://www.digikey.com/product-detail/en/yageo/RC0402JR-07100RL/311-100JRTR-ND/726415, Part Number=RC0402JR-07100RL, partid=14478, price=0,0017, Supplier 1=Digi-Key
R52: library part RC0402JR-072KL, "RES SMD 2K OHM 5% 1/16W 0402", Device Package="0402 (1005 Metric)", manufacturer=Yageo, PowerRating="0.063W, 1/16W", Supplier Part Number 1=311-2.0KJRTR-ND, TemperatureCoefficient=100ppm/C, TemperatureRange="-55C ~ 155C", Tolerance=5%, componentlink1description=Datasheet, componentlink1url=http://www.yageo.com/documents/recent/PYu-RC_Group_51_RoHS_L_04.pdf, componentlink2description="Digi-Key Listing", componentlink2url=https://www.digikey.com/product-detail/en/yageo/RC0402JR-072KL/311-2.0KJRTR-ND/726434, Part Number=RC0402JR-072KL, partid=14511, price=0,0017, Supplier 1=Digi-Key
R53: library part RC0402JR-071RL, "RES SMD 1 OHM 5% 1/16W 0402", Device Package="0402 (1005 Metric)", manufacturer=Yageo, PowerRating="0.063W, 1/16W", Supplier Part Number 1=311-1.0JRTR-ND, TemperatureCoefficient=200ppm/C, TemperatureRange="-55C ~ 155C", Tolerance=5%, componentlink1description=Datasheet, componentlink1url=http://www.yageo.com/documents/recent/PYu-RC_Group_51_RoHS_L_04.pdf, componentlink2description="Digi-Key Listing", componentlink2url=https://www.digikey.com/product-detail/en/yageo/RC0402JR-071RL/311-1.0JRTR-ND/726407, Part Number=RC0402JR-071RL, partid=14504, price=0,0017, Supplier 1=Digi-Key
S1 S2 S3 S4: library part "PTS810 SJM 250 SMTR LFS", "SWITCH TACTILE SPST-NO 0.05A 16V", Contact Rating @ Voltage="0.05A @ 16VDC", manufacturer=C&K, Operating Force=160gf, Operating Temperature="-40°C ~ 85°C", Supplier Part Number 1=CKN10502CT-ND, Actuator Height off PCB, Vertical=2.50mm, Actuator Orientation="Top Actuated", Actuator Type="Oval Button", Circuit=SPST-NO, componentlink1description=Datasheet, componentlink1url=https://dznh3ojzb2azq.cloudfront.net/products/Tactile/PTS810/documents/datasheet.pdf, componentlink2description="DigiKey Link", componentlink2url=http://digikey.com/product-detail/en/c-k/PTS810-SJM-250-SMTR-LFS/CKN10502CT-ND/4176673, Illumination=Non-Illuminated, lastupdated="2020-04-09 10:00:13", Lifecycle Status=Active, Minimum Order=1, Mounting Type="Surface Mount", Outline="4.20mm x 3.20mm", packaging=TapeAndReel, Part Number=TSA016A2518C, Part Status=Active, price=0.16, series=PTS810, Supplier 1=DigiKey, Switch Function=Off-Mom, Termination Style="J Lead"
TP7 TP11 TP12: "0805 PROBE PAD", manufacturer="TE Connectivity AMP Connectors", Supplier Part Number 1=A106144CT-ND, componentlink1description=Datasheet, componentlink1url=http://www.te.com/commerce/DocumentDelivery/DDEController?Action=srchrtrv&DocNm=1773266&DocType=DS&DocLang=English, componentlink2description="Digi-Key Listing", componentlink2url=http://www.digikey.com/product-detail/en/te-connectivity-amp-connectors/RCT-0C/A106144CT-ND/3477801, Mounting Type="Surface Mount", Part Number=RCT-0C, partid=15704, price=0,14, Supplier 1=Digi-Key, Type="PC Test Point"
U1: "Bluetooth, WiFi 802.11b/g/n, Bluetooth v5.0 Transceiver Module 2.412GHz ~ 2.484GHz PCB Trace Surface Mount", Package="SMD-53 Espressif Systems", Availability="In Stock", Check_prices=https://www.snapeda.com/parts/ESP32-C3-MINI-1-N4/Espressif+Systems/view-part/?ref=eda, MF="Espressif Systems", MP=ESP32-C3-MINI-1-N4, price=None, Purchase-URL=https://pricing.snapeda.com/search/part/ESP32-C3-MINI-1-N4/?ref=eda, SnapEDA_Link=https://www.snapeda.com/parts/ESP32-C3-MINI-1-N4/Espressif+Systems/view-part/?ref=snap
U2: library part XC6206-3.3NR, MPN=XC6206-3.3NR
Y1: library part NX3225SA-12.000MHZ-STD-CSR-1, "CRYSTAL 12.0000MHZ 8PF SMD", Device Package="4-SMD, No Lead (DFN, LCC)", Frequency Stability=15ppm, Load Capacitance=20pF, manufacturer=NDK, Operating Mode=Fundamental, Part Number=TAXM12M4RLBDDT2T, Supplier Part Number 1=644-1047-2-ND, componentlink1description=Datasheet, componentlink1url=http://media.digikey.com/pdf/Data%20Sheets/NDK%20PDFs/NX3225SA.pdf, componentlink2description="Digi-Key Listing", componentlink2url=http://www.digikey.com/product-detail/en/NX3225SA-12.000MHZ-STD-CSR-1/644-1047-2-ND/1128829, ESR="50 Ohm", Frequency=12MHz, Frequency Tolerance=15ppm, partid=8505, price=0,3799, Supplier 1=LCSC, Type="MHz Crystal"

## Via types
v1: diameter 0.6, hole 0.3, Top Layer to Bottom Layer, tented both sides, 206 vias
v2: diameter 0.5, hole 0.3, Top Layer to Bottom Layer, tented both sides, 32 vias

## Nets (pads, with @x,y where several pads share a name; then routed paths per layer and width w, separated by ;. In a path a pad name is that pad's centre, name@x,y a point inside that pad or via, vN(x,y) a via of type N, cw(c..) or ccw(c..) an arc to the next point about the centre after c; other vN are vias at no path point)
+1V1: C2.2 C3.2 C14.2 IC2.23 IC2.45 IC2.50 | length 12.4
  Top Layer w0.2: v1(47.228,22.385) 47.228,21.574 47.028,21.374 IC2.50@47.028,20.214 47.028,19.52 47.244,19.304 48.768,19.304 49.028,19.564 49.028,20.834 49.92,21.726 C14.2@49.92,22.385 ; v1(47.498,14.224) 47.828,13.894 IC2.23@47.828,13.314 47.828,12.116 49.041,10.903 v1(49.128,10.903)
+3V3: A1.9 C1.2 C4.2 C5.2 C7.2 C8.2 C10.2 C11.2 C12.2 C13.2 C15.2 C16.2 C17.2 C18.2 C21.2 C23.2 C26.2 C30.2 C31.2 C32.2 C33.2 C34.2 C37.2 C38.2 C39.2 IC1.8 IC2.1 IC2.10 IC2.22 IC2.33 IC2.42 IC2.43 IC2.44 IC2.48 IC2.49 IC3.3 J1.4 J4.2 J4.3 J4.28 JP3.1 P1.1 P5.10 P6.17 R2.2 R18.2 R19.2 R27.2 R28.2 R29.2 R31.2 R32.2 R33.2 R38.2 R48.2 R52.2 U1.3 U2.3 | length 49.1
  Top Layer w0.127: R38.2@23.114,15.875 22.995,15.994 R38.2@22.987,15.994 22.987,16.637 23.495,17.145 v1(24.13,17.145)
  Top Layer w0.2: v1(19.488,20.25) C21.2@19.494,20.25 ; IC3.3@39.49,10.425 40.051,10.425 40.132,10.506 v1(41,10.506) ; C10.2@41.861,15.621 42.004,15.764 IC2.10@43.778,15.764 v1(44.561,15.764) ; v1(41.91,19.718) 42.264,19.364 IC2.1@43.778,19.364 ; IC1.8@45.249,24.067 45.249,25.054 v1(45.29,25.095) ; IC2.22@47.428,13.314 47.428,11.881 48.128,11.181 v1(48.128,10.889) ; IC2.33@50.678,15.764 C7.2@52.274,15.764
  Top Layer w0.3: R48.2@9.995,14.5 9.995,15.786 9.398,16.383 9.398,17.526 9.779,17.907 v1(13.081,17.907) ; v1(34.544,9.779) 34.556,9.779 34.884,9.451 R33.2@34.884,8.701
  Top Layer w0.5: U1.3@32.15,5.8 32.172,5.822 v1(35.687,5.822) 35.698,5.832 36.239,5.832 C18.2@36.25,5.843
  Bottom Layer w0.2: R29.2@6.098,15.351 6.62,15.351 7.625,14.346 8.763,14.346 ; J1.4@10.498,12.799 10.498,13.97 10.122,14.346 C16.2@9.627,14.346 8.763,14.346 ; v1(13.081,17.907) 9.652,17.907 8.763,17.018 8.763,14.346 ; v1(21.717,21.082) A1.9@21.764,21.082
  Bottom Layer w0.3: v1(30.988,10.642) v1(30.988,11.6) J4.28@32.675,11.6 ; v1(34.417,22.098) 34.671,21.844 36.068,21.844 36.703,21.209 36.703,19.431 36.372,19.1 J4.3@35.74,19.1
  Bottom Layer w0.5: v1(17.78,12.954) 17.788,12.962 18.796,12.962 R28.2@18.804,12.97
  other v1: 52.05,4.5 15.85,6.4 50.8,7.7 55.88,15.702 52.29,15.748 55.88,18.645 12.954,19.05 13.994,19.05 52.29,19.888 13.848,20.64 31.082,20.701 52.29,20.904 31.082,21.717 52.29,21.92 48.244,22.385 64.5,23.5 39.578,23.749
\USB_BOOT: C41.2 JP1.2 R1.1 S2.3 S2.4 | length 54.1
  Top Layer w0.152: S2.4@3.842,0.822 S2.3@8.142,0.822 8.543,0.822 C41.2@9.779,-0.414 15.461,-0.414 16.002,0.127 16.002,3.158 18.542,5.698 18.542,14.986 26.416,22.86 R1.1@39.578,22.86 38.943,22.225 v1(38.862,22.225)
BAT: C20.2 C24.2 C25.2 IC5.5 IC7.3 J2.2 J5.1 R24.2 R49.1 | length 4.5
  Bottom Layer w0.2: v1(12.159,7.158) 16.076,7.158 v1(16.518,7.6)
  other v1: -0.508,8.763 0.254,8.763
BAT_EN: IC4.2 IC5.4 R48.1 | length 4.9
  Top Layer w0.4: R48.1@8.995,14.5 9.02,14.475 9.02,11.897 IC4.2@9.045,11.872 9.195,11.872 9.32,11.997 9.32,12.147 9.995,12.822 IC5.4@10.865,12.822
BAT_MM: C42.2 IC2.41 R24.1 R30.2 | length 68.2
  Top Layer w0.2: v1(17.518,7.6) R30.2@17.518,8.636 ; IC2.41@50.678,18.964 v1(52.705,18.964) 53.889,18.964 54.356,19.431 C42.2@54.356,19.972
  Layer 2 w0.2: v1(52.705,18.964) 52.705,18.034 54.587,16.152 54.587,12.677 v1(53.975,12.065)
  Layer 5 w0.15: v1(17.518,7.6) 19.276,5.842 25.527,5.842 27.432,7.747 38.1,7.747 44.577,1.27 56.134,1.27 56.515,1.651 56.515,5.207 53.975,7.747 v1(53.975,12.065)
BTN_1: C43.2 IC2.30 R31.1 S3.3 S3.4 | length 33.8
  Top Layer w0.15: IC2.30@50.678,14.564 53.127,14.564 56.007,11.684 v1(56.007,8.89)
  Top Layer w0.2: R31.1@65.5,4.5 C43.2@65.5,3.5 65.5,1.937 v1(65.659,1.778) 66.548,0.889 68.307,0.889 S3.4@69.576,2.158 S3.3@69.576,-2.142
  Layer 5 w0.2: v1(56.007,8.89) 62.23,2.667 64.77,2.667 v1(65.659,1.778)
BTN_2: C44.2 IC2.31 R32.1 S4.3 S4.4 | length 36
  Top Layer w0.2: IC2.31@50.678,14.964 v1(54.08,14.964) ; R32.1@65.5,23.5 v1@65.5,25.654 ; v1@65.5,25.749 66.929,27.178 69.215,27.178 69.576,26.817 ; S4.3@69.576,25.858 69.576,26.817 ; S4.4@69.576,30.158 69.576,26.817
  Bottom Layer w0.2: v1(54.08,14.964) 60.367,14.964 60.643,15.24 62.992,15.24 63.627,15.875 63.627,25.146 64.135,25.654 v1(65.532,25.654)
CC1: J3.A5 R47.2 | length 3
  Top Layer w0.25: J3.A5@4.915,21.488 6.171,21.488 7.25,22.567 R47.2@7.25,22.75
CC2: J3.B5 R50.2 | length 2.3
  Top Layer w0.25: J3.B5@4.915,18.488 7.238,18.488 R50.2@7.25,18.5
CHG: IC7.1 IC8.12 R52.1 | length 54.5
  Top Layer w0.15: IC8.12@58.322,3.718 59.401,3.718 59.944,3.175 59.944,0.889 v1(58.801,-0.254)
  Top Layer w0.165: IC7.1@14.075,5.45 15.8,5.45 v1(15.85,5.4)
  Layer 5 w0.15: v1(15.85,5.4) 25.72,5.4 27.686,7.366 37.846,7.366 44.45,0.762 56.769,0.762 57.785,-0.254 v1(58.801,-0.254)
ESP32_IO0: P5.2 U1.12 | length 22.1
  Top Layer w0.2: v1(30.226,6.858) 30.226,11.811 31.05,12.635 U1.12@31.05,13.1
  Layer 5 w0.2: v1(30.226,6.858) 36.449,6.858 39.37,3.937 P5.2@39.37,-1.27
ESP32_IO1: P5.3 U1.13 | length 28.5
  Top Layer w0.2: v1(29.972,5.334) 29.972,6.096 29.591,6.477 29.591,11.938 30.189,12.536 30.189,13.039 U1.13@30.25,13.1
  Layer 5 w0.2: v1(29.972,5.334) 29.972,5.461 30.861,6.35 35.941,6.35 38.227,4.064 38.227,-2.159 38.608,-2.54 40.64,-2.54 P5.3@41.91,-1.27
ESP32_IO3: P5.1 U1.6 | length 15.4
  Top Layer w0.25: v1(30.861,5.334) 30.861,7.239 31.822,8.2 U1.6@32.15,8.2
  Layer 5 w0.25: v1(30.861,5.334) 31.369,5.842 34.29,5.842 36.83,3.302 P5.1@36.83,-1.27
ESP32_IO4: P6.10 U1.18 | length 20.8
  Top Layer w0.2: U1.18@26.25,13.1 26.25,15.328 v1(26.924,16.002)
  Layer 5 w0.2: v1(26.924,16.002) 26.924,19.904 35.985,28.966 36.582,28.966 P6.10@36.826,29.21
ESP32_IO5: P6.11 U1.19 | length 19.8
  Top Layer w0.2: U1.19@25.45,13.1 25.45,13.893 25.699,14.142 25.699,15.412 26.035,15.748 v1(26.035,16.51)
  Layer 5 w0.2: v1(26.035,16.51) 26.035,19.939 34.286,28.19 P6.11@34.286,29.21
ESP_EN: C19.2 IC2.32 R33.1 U1.8 | length 29.1
  Top Layer w0.15: U1.8@32.15,9.8 32.16,9.79 33.39,9.79 v1(33.401,9.779) ; v1(49.784,15.367) 49.786,15.365 50.677,15.365 IC2.32@50.678,15.364
  Top Layer w0.2: v1(33.401,9.779) 33.884,9.296 R33.1@33.884,8.701 33.884,7.726 C19.2@33.909,7.701
  Layer 2 w0.15: v1(49.784,15.367) 50.165,14.986 v1(50.165,10.16)
  Layer 5 w0.15: v1(33.401,9.779) 33.401,10.922 34.29,11.811 49.022,11.811 50.148,10.685 50.148,10.177 v1(50.165,10.16)
ESP_RX: P6.13 R42.2 | length 1.6
  Top Layer w0.152: R42.2@29.206,27.551 29.206,28.952 P6.13@29.337,29.083
ESP_RX_RP_TX: IC2.27 R36.1 | length 32
  Top Layer w0.15: IC2.27@49.428,13.314 49.428,12.421 50.841,11.008 51.349,11.008 v1(51.435,10.922)
  Layer 5 w0.15: v1(25.019,16.002) 28.194,12.827 34.417,12.827 34.798,12.446 49.911,12.446 v1(51.435,10.922)
ESP_TX: P6.12 R43.2 | length 1.7
  Top Layer w0.152: R43.2@31.746,27.551 31.746,29.206 P6.12@31.75,29.21